# KiCad board PROC099A_PCB-PcbDoc.kicad_pcb (continued)
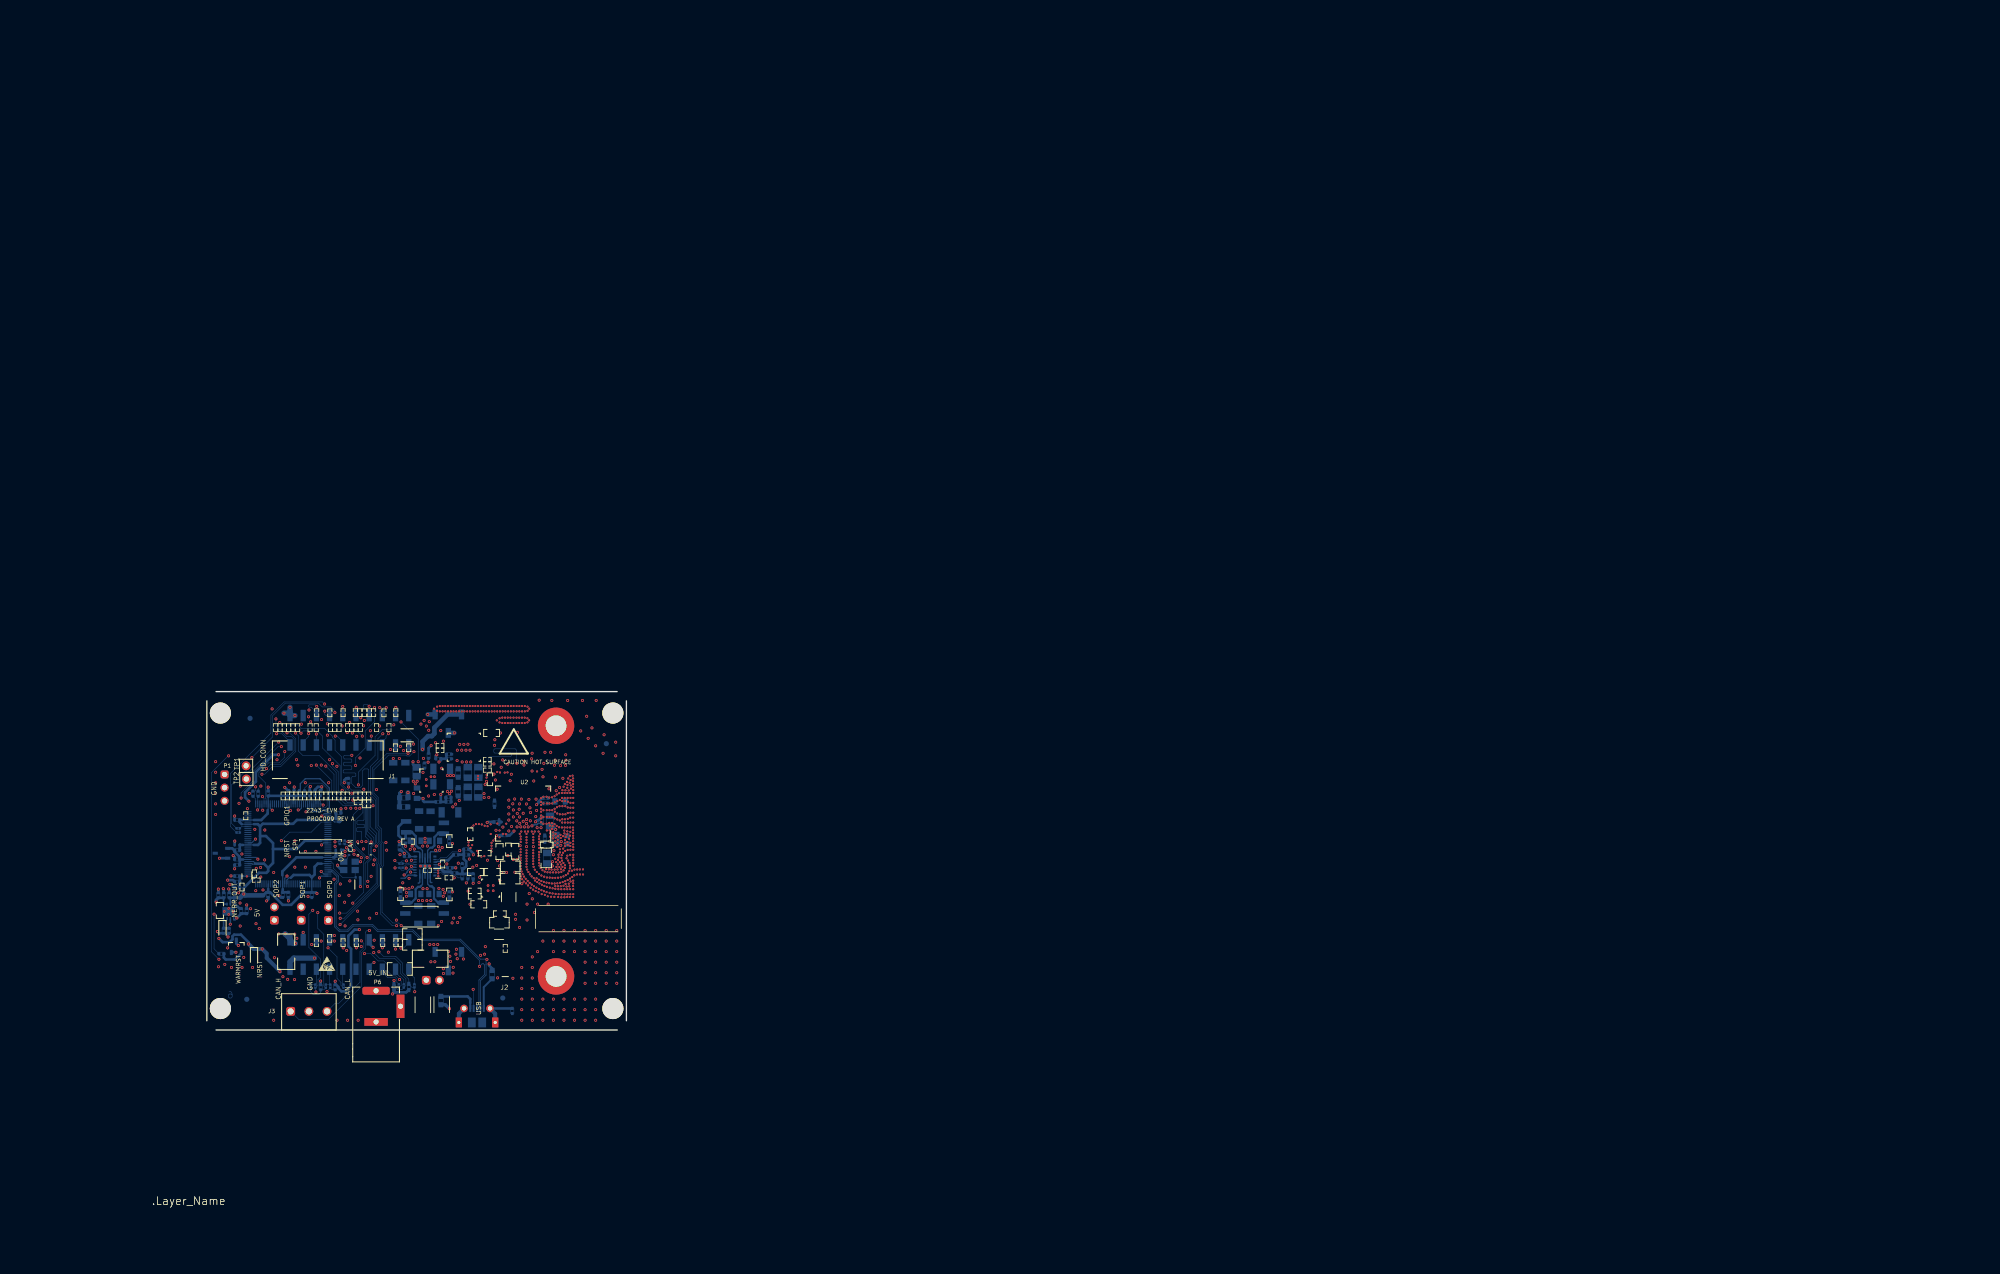
[diagram p0: board, top side]
## Routing (per net, layer and track width the routed paths; a pad name or vN(x,y) marks a point on that pad's centre or on a via; arc(x,y) is an arc through that point) (continued)
NetC1_2: length 4.6
  In7.Cu w0.381: C1.2 53.21,57.19 52.37,56.34 52.33,56.34
  In7.Cu w0.508: 53.74,55.92 53.74,54.84 53.7,54.81 ; 53.74,55.92 R37.2 ; 53.74,55.92 53.74,56.69 54.02,56.97 C1.2
NetC16_2: length 1.9
  In7.Cu w0.508: 30.35,30.64 30.35,32.5
NetC18_2: length 4.2
  In7.Cu w0.305: U4.3 54.31,30.24 C18.2
  In7.Cu w0.381: 53.63,31.69 54.59,31.69 54.59,31.69 54.59,31.09 54.13,30.63 C18.2
NetC22_1: length 2.4
  In7.Cu w0.305: 54.31,24.82 U4.6
  In7.Cu w0.381: 54.31,24.82 53.84,24.36 53.16,24.36 53.16,24.35
NetC24_2: length 2.2
  In7.Cu w0.102: 30.36,22.19 R87.2 R85.1
NetC28_1: length 10.3
  In3.Cu w0.254: v1(44.69,51.6) 44.69,51.04 44.6,50.94 44.6,46.14 v1(43.79,45.33)
  Bottom w0.508: v1(44.69,51.6) 45.07,51.97 R121.2 R122.1 C28.1
  In7.Cu w0.254: U5.10 44.23,45.78 v1(43.79,45.33)
NetC29_2: length 1.7
  In7.Cu w0.254: U5.7 42.73,45.85 42.17,45.28 C29.2
NetC44_2: length 0.8
  In7.Cu w0.102: U5.19 C44.2
NetC46_1: length 9.9
  In3.Cu w0.254: v1(45.21,50.39) 45.21,49.83 45.38,49.66 45.38,45.7 v1(45.04,45.36)
  Bottom w0.508: 46.01,44.69 C46.1 R132.2 v1(45.04,45.36) ; 46.01,44.69 46.01,44.81 ; 46.01,44.69 46.04,44.69
  In7.Cu w0.254: v1(45.21,50.39) 44.34,50.39 44.23,50.28 U5.16
NetC71_2: length 4.4
  Bottom w0.203: v1(21.69,29.29) 22.03,29.63 U6.96
  In7.Cu w0.508: 22.8,29.79 22.19,29.79 v1(21.69,29.29) 21.3,28.91 21.3,28.17
NetC78_1: length 10
  Bottom w0.305: 5.18,21.23 5.45,21.23 v1(5.78,21.56)
  Bottom w0.508: v1(4.21,27.15) 4.24,27.15 4.31,27.07 C78.1 4.31,26.44 ; 7.67,22.41 7.66,22.42 6.62,22.42 R156.1 v1(5.78,21.56)
  In7.Cu w0.508: v1(4.21,27.15) 4.21,25.02 5.68,23.55 5.68,21.67 v1(5.78,21.56)
NetC79_2: length 5
  Bottom w0.305: 3.23,25.42 U9.1 U9.2
  Bottom w0.381: 3.26,25.45 3.23,25.42
  Bottom w0.508: 3.25,25.44 2.22,25.44 1.8,25.02
  Bottom w0.635: v1(1.8,24.64) 1.8,25.02
  In7.Cu w0.762: v1(1.8,24.64) 1.8,24.54 2.51,23.83 R176.1
NetC84_2: length 2.1
  In7.Cu w0.305: 46.32,30.21 46.27,30.16 U11.5
  In7.Cu w0.508: 46.32,30.21 46.3,30.22 46.3,31.22
NetC85_1: length 2
  In7.Cu w0.254: 7.71,27.81 7.71,27.81 ; 7.71,27.81 7.71,27.75 ; 7.71,27.81 7.71,28.77 ; 7.71,27.81 7.71,27.81
  In7.Cu w0.508: R187.1 C85.1
NetC86_1: length 1.5
  Bottom w0.508: v1(38.27,35.38) R190.1
  In7.Cu w0.483: 38.22,36.27 38.27,36.22 v1(38.27,35.38)
NetC87_1: length 1.2
  Bottom w0.5: v1(47.29,35.88) 46.72,35.88 R191.1
  In7.Cu w0.5: 46.68,35.88 v1(47.29,35.88)
NetC88_1: length 1.6
  Bottom w0.559: 37.28,26.64 37.28,27.4 v1(37.23,27.44)
  In7.Cu w0.559: v1(37.23,27.44) 37.27,27.4 37.27,26.66
NetC89_1: length 1.2
  Bottom w0.5: 46.67,26.61 v1(47.3,26.61)
  In7.Cu w0.559: 46.68,26.61 v1(47.3,26.61)
NetD2_1: length 1.4
  In7.Cu w0.381: 2.87,32.22 D2.1
  In7.Cu w0.508: 1.92,32.22 2.87,32.22
NetDS1_1: length 4.9
  In7.Cu w0.508: 5.65,18.88 6.52,18.88 7.13,19.48 7.13,21.82 7.7,22.39
NetDS2_1: length 1.4
  In7.Cu w0.508: R100.1 8.56,17.78 8.56,18.89
NetDS3_1: length 2.1
  In7.Cu w0.508: 3.04,18.87 3.04,18.13 3.28,17.9 3.28,16.83
NetDS3_2: length 4.5
  In7.Cu w0.508: 3.04,20.47 3.38,20.47 4.31,19.53 4.31,18.65 5.67,17.29
NetDS4_1: length 1.4
  In7.Cu w0.508: 9.1,13.75 9.65,13.75 9.82,13.59 R117.1
NetDS4_2: length 4.7
  Bottom w0.508: v1(6.06,16.28) 5.67,16.67 Q2.3
  In7.Cu w0.508: 6.06,16.23 6.8,16.23 7.83,15.2 9.1,15.2
NetDS5_1: length 1.2
  In7.Cu w0.102: R189.1 3.46,10.4
NetJ1_4: length 4.3
  In7.Cu w0.102: R67.1 31.24,45.46 31.24,46.94 30.04,48.14 30.04,49.17
NetJ1_5: length 6.2
  Bottom w0.102: v1(29.93,56.59) 28.76,57.76 27.55,57.76 27.08,57.28 v1(27.02,57.28)
  In7.Cu w0.102: v1(27.02,57.28) 27.02,57.25 27.04,57.25 27.04,57.85 R29.2 ; v1(29.93,56.59) 29.56,56.21 29.56,54.92 J1.5
NetJ1_6: length 4.3
  In7.Cu w0.102: 29.54,49.17 29.54,48.13 29.97,47.7 29.97,46.86 29.71,46.6 29.71,46.08 30.34,45.45 R66.1
NetJ1_7: length 3.3
  In7.Cu w0.102: R17.2 29.59,57.87 29.59,57.34 29.35,57.11 29.35,56.27 29.04,55.95 J1.7
NetJ1_8: length 4.2
  In7.Cu w0.102: R65.1 29.43,45.48 29.43,46.72 29.69,46.98 29.69,47.49 29.04,48.14 29.04,49.17
NetJ1_9: length 44.2
  In3.Cu w0.102: v1(24.67,36.22) 25.95,37.5 28.01,37.5 32,41.48 v1(32,43.18)
  Bottom w0.102: 27.91,52.79 v1(27.91,52.88) 26.5,52.88 26.35,52.73 26.35,52.36 26.53,52.18 27.74,52.18 27.91,52.01 27.91,51.66 27.81,51.57 26.46,51.57 26.28,51.38 26.28,51.05 26.46,50.87 27.76,50.87 27.91,50.72 27.91,50.28 27.73,50.1 26.4,50.1 26.25,49.95 26.25,49.64 26.39,49.49 28.52,49.49 28.69,49.32 28.69,48.95 28.57,48.83 28.05,48.83 27.9,48.67 27.9,47.44 28.69,46.65 29.52,46.65 29.95,47.08 29.95,49.88 30.34,50.27 30.97,50.27 31.14,50.1 31.14,45.04 32,44.19 v1(32,43.18) ; v1(24.67,36.22) 25.32,36.22 R75.2
  In7.Cu w0.102: v1(27.91,52.88) 28.54,53.51 28.54,54.91
NetJ1_10: length 3.8
  In7.Cu w0.102: 28.54,49.17 28.54,45.54 R64.1
NetJ1_11: length 21.8
  In7.Cu w0.102: J1.11 28.04,56.5 28.54,57 28.54,57.37 28.32,57.6 28.32,58.9 28.12,59.11 28.12,59.81 28.25,59.95 29.03,59.95 29.12,60.03 29.12,60.3 29.07,60.35 28.15,60.35 27.99,60.51 27.99,61.57 27.9,61.67 27.58,61.67 27.51,61.6 27.51,60.63 27.4,60.52 27.26,60.52 27.18,60.61 27.18,61.54 27.08,61.63 26.94,61.63 26.82,61.51 26.82,60.23 26.91,60.14 27.6,60.14 27.71,60.03 27.71,59.84 27.62,59.75 26.33,59.75 26.24,59.67 26.24,59.38 26.33,59.3 26.86,59.3 26.95,59.21 26.95,59.02 26.89,58.96 26.67,58.96 26.6,58.89 26.6,57.94 26.51,57.85 26.51,56.89 26.44,56.81 25.82,56.81 25.45,57.19 R28.2
NetJ1_12: length 27.1
  Bottom w0.102: v1(32.28,62.08) 32.28,59.35 30.48,57.55 30.48,54.27 28.62,52.41 v1(28.62,50.93)
  In5.Cu w0.1: 31.69,60.34 31.69,61.84 30.89,61.84 30.89,60.34 31.69,60.34 ; 31.71,61.84 32.51,61.84 32.51,60.34 31.71,60.34 31.71,61.84
  In7.Cu w0.102: v1(32.28,62.08) 32.28,61.6 32.11,61.43 ; 28.04,49.17 28.04,50.19 28.16,50.31 28.16,50.47 v1(28.62,50.93)
  In7.Cu w0.18: 67.92,41.05 arc(67.44,41.14) 67.04,41.41 arc(66.76,41.6) 66.42,41.67 ; 69.83,41.37 arc(69.65,41.33) 69.49,41.23 arc(69.29,41.09) 69.05,41.05
NetJ1_13: length 5.1
  In7.Cu w0.254: 27.54,54.91 27.54,56.14 27.27,56.4 27.04,56.4
  In7.Cu w0.381: R27.2 24.62,57.53 25.75,56.4 27.04,56.4
NetJ1_14: length 4.2
  In7.Cu w0.102: J1.14 27.54,48.12 27.78,47.88 27.78,46.18 27.05,45.45 27.05,45.4
NetJ1_16: length 4.1
  In7.Cu w0.102: 27.04,49.17 27.04,49.16 27.04,47.5 26.71,47.17 26.71,46.05 26.23,45.56 R62.1
NetJ1_51: length 3.2
  In7.Cu w0.102: 18.04,54.91 18.03,54.92 18.03,56.36 17.58,56.81 17.58,57.8 R23.2
NetJ1_53: length 3.6
  In7.Cu w0.102: R22.2 16.58,56.84 17.06,56.36 17.44,56.36 17.54,56.26 17.54,54.91
NetJ1_55: length 3.5
  In7.Cu w0.102: R33.2 16.38,57.26 16.38,56.72 17.04,56.06 17.04,54.91
NetJ1_57: length 4.1
  In7.Cu w0.102: J1.57 16.54,55.97 15.97,56.54 15.22,56.54 14.91,56.84 R21.2
NetJ1_59: length 4.1
  In7.Cu w0.102: R20.2 14.46,57.53 14.46,56.9 15.08,56.28 15.63,56.28 16.04,55.87 J1.59
NetJ2_1: length 2.3
  In7.Cu w0.18: J2.1 57.44,15.38
NetJ3_1: length 35.4
  Bottom w0.102: J3.1 17.76,1.97 23.33,1.97 29.76,8.4 29.76,14.85 30.51,15.6 30.51,18.83 30.84,19.16 v1(31.29,19.16)
  In7.Cu w0.102: v1(31.29,19.16) 31.29,20.74 32.17,21.63 32.17,23.55 31.62,24.11 31.62,25.34
NetJ3_3: length 25.6
  Bottom w0.102: v1(29.74,17.16) 30.23,16.66 30.23,15.83 29.48,15.09 29.48,9.2 25.41,5.13 24.69,5.13 J3.3
  In7.Cu w0.102: v1(29.74,17.16) 29.74,18.61 29.87,18.74 29.87,23.62 30.35,24.1 30.35,25.34
NetJ5_5: length 3.9
  Bottom w0.102: R169.2 R168.2 21.09,8.96 J5.5
NetJ5_6: length 2.6
  Bottom w0.102: v1(20.19,16.46) 20.92,16.46 21.09,16.62 J5.6
  In7.Cu w0.102: R104.1 20.36,16.48 20.36,16.46 v1(20.19,16.46)
NetJ5_7: length 3.8
  Bottom w0.102: 23.73,8.76 R166.2 ; 23.73,8.76 23.63,8.86 J5.7 ; 23.73,8.76 R167.2
NetJ5_8: length 2
  Bottom w0.102: J5.8 24.32,17.35 v1(24.56,17.12)
  In7.Cu w0.102: v1(24.56,17.12) 23.85,17.12 R94.1
NetJ5_9: length 3
  Bottom w0.102: R165.2 26.17,8.9 J5.9
NetJ5_10: length 2.3
  Bottom w0.102: v1(26.25,15.8) 26.17,15.88 J5.10
  In7.Cu w0.102: v1(26.25,15.8) 26.23,15.83 R105.1
NetJ5_12: length 6.9
  Bottom w0.102: J5.12 28.71,16.5 28.8,16.41 28.8,15.84 v1(28.77,15.81)
  In5.Cu w0.1: 28.38,17.56 29.18,17.56 29.18,16.06 28.38,16.06 28.38,17.56
  In7.Cu w0.102: R106.1 28.78,15.82 v1(28.77,15.81)
NetJ5_13: length 35.7
  In3.Cu w0.127: v1(32.18,13) 30.16,13 29.94,13.23 29.94,13.88 29.78,14.03 29.22,14.03 29.11,13.92 29.11,13.26 28.85,13 28.12,13 27.93,13.2 27.93,19.05 29.74,20.86 29.74,21.31 29.26,21.79 28.45,21.79 25.76,24.48 25.76,25.12 26.25,25.6 26.25,32.02 25.72,32.55 25.72,35.18 26.8,36.26 v1(27.17,36.26)
  Bottom w0.102: v1(27.17,36.26) 26.74,36.26 R76.2 ; v1(32.18,13) 31.92,12.75 31.69,12.75 31.25,12.31 J5.13
NetJ5_14: length 2.6
  Bottom w0.508: J5.14 31.25,16.67 v1(32.01,15.91)
  In7.Cu w0.508: 31.31,16.33 R107.1 31.71,15.91 v1(32.01,15.91)
NetJ5_15: length 5
  Bottom w0.102: J5.15 33.79,11.1 34.81,10.08 36.25,10.08 36.57,9.76 36.57,9.22 R164.2
NetJ5_16: length 6.8
  Bottom w0.102: v1(33.79,15.82) J5.16
  In5.Cu w0.1: 34.26,16.08 34.26,17.58 33.46,17.58 33.46,16.08 34.26,16.08
  In7.Cu w0.102: R102.1 33.86,15.89 v1(33.79,15.82)
NetJ5_17: length 3.6
  Bottom w0.102: R163.2 37.92,9.65 37.3,10.27 37.15,10.27 36.33,11.09 J5.17
NetJ5_18: length 2.7
  Bottom w0.102: v1(36.33,15.58) J5.18
  In7.Cu w0.102: R108.1 36.33,16.4 v1(36.33,15.58)
NetJ5_19: length 3.3
  Bottom w0.102: R162.2 39.95,10.04 38.87,11.13 J5.19
NetJ5_20: length 35.6
  Bottom w0.102: J5.20 38.87,16.76 37.87,15.76 v1(37.36,15.76)
  In5.Cu w0.1: 36.83,16.05 37.63,16.05 37.63,17.55 36.83,17.55 36.83,16.05 ; 36,17.55 36.8,17.55 36.8,16.05 36,16.05 36,17.55
  In7.Cu w0.102: R109.1 37.36,16.34 v1(37.36,15.76)
  In5.Cu w0.127: 37.69,17.47 41.45,17.47 41.45,19.5 37.69,19.5 37.69,17.47 ; 37.69,17.41 41.45,17.41 41.45,15.38 37.69,15.38 37.69,17.41
NetJ6_1: length 4.7
  Bottom w0.102: J6.1 16.01,55.46 14.42,57.05 v1(13.43,57.05)
  In7.Cu w0.102: v1(13.43,57.05) 13.26,57.22 R19.2
NetJ6_3: length 3.6
  Bottom w0.102: J6.3 18.55,55.46 19.6,56.52 v1(19.6,57.07)
  In7.Cu w0.102: v1(19.6,57.07) 19.88,57.35 R24.2
NetJ6_5: length 3
  Bottom w0.102: J6.5 v1(21.09,56.98)
  In7.Cu w0.102: v1(21.09,56.98) 21.09,57.86 R25.2
NetJ6_8: length 2.6
  Bottom w0.102: J6.8 22.95,60.53 22.7,60.78 v1(22.7,61.39)
  In7.Cu w0.102: v1(22.7,61.39) 23.68,61.39 R9.1
NetJ6_9: length 4.3
  Bottom w0.102: v1(24.73,56.59) 25.09,56.59 26.17,55.51 J6.9
  In7.Cu w0.102: R26.2 23.79,57.89 23.79,57.4 24.67,56.52 v1(24.73,56.59)
NetJ6_10: length 2.7
  Bottom w0.102: J6.10 v1(26.17,62.29)
  In7.Cu w0.102: R2.1 26.17,61.49 v1(26.17,62.29)
NetJ6_11: length 3.1
  Bottom w0.102: v1(28.85,56.54) 28.85,55.02 J6.11
  In7.Cu w0.102: R18.2 28.85,57.78 v1(28.85,56.54)
NetJ6_12: length 3.2
  Bottom w0.102: J6.12 28.71,62.09 v1(28.76,62.14)
  In7.Cu w0.102: v1(28.76,62.14) 28.76,61.6 R4.1 R5.1
NetJ6_13: length 3.6
  Bottom w0.102: J6.13 31.25,55.54 31.67,55.96 v1(31.67,56.59)
  In7.Cu w0.102: R31.2 32.38,57.59 32.38,57.31 v1(31.67,56.59)
NetJ6_14: length 8.4
  Bottom w0.102: v1(31.25,62.33) 30.95,62.63 30.25,62.63 30.11,62.49 30.11,61.84 30.22,61.72 30.66,61.72 31.25,61.13 J6.14
  In7.Cu w0.102: R3.1 R6.1 31.25,61.46 v1(31.25,62.33)
  In7.Cu w0.18: 69.05,43.59 arc(69.29,43.54) 69.49,43.4 arc(69.65,43.3) 69.83,43.26 ; 66.42,42.97 arc(66.76,43.03) 67.04,43.22 arc(67.44,43.49) 67.92,43.59
NetJ6_15: length 3.5
  Bottom w0.102: J6.15 33.79,55.51 34.5,56.22 34.5,56.6 v1(34.96,57.06)
  In7.Cu w0.102: R32.2 34.96,57.79 v1(34.96,57.06)
NetJ6_16: length 7.6
  Bottom w0.102: J6.16 33.79,61.82 34.03,62.06 v1(34.53,62.06)
  In5.Cu w0.1: 33.69,60.32 34.49,60.32 34.49,61.82 33.69,61.82 33.69,60.32
  In7.Cu w0.102: R10.1 34.23,61.54 34.23,61.77 v1(34.53,62.06)
NetJ6_17: length 2
  Bottom w0.102: v1(37.26,54.61) 36.98,54.88 J6.17
  In7.Cu w0.102: v1(37.26,54.61) 36.37,54.61 R35.2
NetJ6_18: length 6.9
  Bottom w0.102: v1(36.38,62.11) 36.33,62.06 J6.18
  In5.Cu w0.1: 35.98,60.34 35.98,61.84 36.78,61.84 36.78,60.34 35.98,60.34
  In7.Cu w0.102: R8.1 v1(36.38,62.11)
NetJ6_19: length 2.1
  Bottom w0.102: J6.19 39.03,55.04 v1(39.8,55.04)
  In7.Cu w0.102: v1(39.8,55.04) 39.24,55.04 R36.2
NetJ8_1: length 6.4
  Bottom w0.254: 53.31,4.15 J8.1
  Bottom w0.381: 53.31,4.15 53.31,8.24 R161.1
NetJ8_5: length 7.7
  Bottom w0.381: 50.71,4.15 J8.5 50.71,5.24
  Bottom w0.508: 50.71,5.24 50.71,5.95 50.2,6.46 45.05,6.46
NetJ8_6: length 25.9
  Bottom w0.508: J8.11 58.8,4.15
  Bottom w0.762: J8.9 48.51,3.15 J8.10 ; J8.6 55.51,3.15 J8.11
  In7.Cu w0.254: U10.5 52.8,12.66 53.24,12.23 53.24,11.87
  In7.Cu w0.508: 53.24,11.87 53.24,11.13 49.51,7.41 J8.10
  In7.Cu w0.762: J8.10 J8.11
NetP2_1: length 3.6
  In7.Cu w0.102: P2.1 19.09,20.22 19.09,17.93
NetP3_1: length 3.8
  In7.Cu w0.102: 13.01,17.54 12.69,17.86 12.69,20.83 P3.1
NetP4_1: length 3.2
  In7.Cu w0.102: 26.51,20.95 23.56,20.95 P4.1
NetQ1_1: length 1.6
  In7.Cu w0.508: 4.72,14.99 4.44,14.7 3.29,14.7
NetQ2_1: length 5
  Bottom w0.508: 3.29,14.69 3.29,13.93 3.64,13.57 5.44,13.57 6.62,14.76 6.62,14.97
NetR11_2: length 8.6
  In7.Cu w0.102: R11.2 33.87,36.6 34.84,36.6 35.22,36.22 35.22,33.32 32.9,30.99 U3.1
NetR12_2: length 1.7
  In7.Cu w0.102: R12.2 29.09,31.34 U3.4
NetR39_2: length 1.6
  In7.Cu w0.102: U1.2 45.56,55.07 R39.2
NetR40_1: length 3.7
  In7.Cu w0.102: R40.1 53.66,54.01 52.59,55.07 U1.7
NetR42_2: length 1.5
  In7.Cu w0.102: R42.2 45.25,53.8 U1.3
NetR44_1: length 3.4
  In7.Cu w0.102: U1.6 52.64,53.8 53.23,53.2 53.23,51.64 R44.1
NetR45_1: length 3.1
  In7.Cu w0.102: 52.33,52.53 52.33,51.39 R45.1
NetR68_1: length 1.8
  In7.Cu w0.381: 8.86,43.1 9.11,42.85 SW1.4
NetR72_1: length 2.6
  In7.Cu w0.381: 7.49,39.94 7.5,39.95 R72.1
  In7.Cu w0.508: 7.49,39.94 7.54,39.88 7.84,39.88 7.88,39.84 SW1.2
NetR79_2: length 2.1
  In7.Cu w0.381: 9.38,32.04 9.21,32.2 9.21,33.92 SW2.2
NetR86_1: length 5.3
  In7.Cu w0.102: U3.8 R86.1 R178.2 34.27,22.75 R177.1
NetR88_2: length 3.1
  In7.Cu w0.102: 27.55,22.92 27.53,22.9 R93.1 26.51,21.91 R92.1 26.51,22.92 26.52,22.93
NetR95_1: length 3
  In7.Cu w0.102: 18.08,15.98 18.07,15.98 18.07,16.96 19.08,16.96 19.09,16.97 19.09,15.99 19.1,15.98
NetR98_2: length 3.5
  In7.Cu w0.102: R98.2 10.93,17.54 11.89,16.57 11.93,16.57 11.94,16.58 13.01,16.58 13.01,15.61 13.01,15.61
NetR123_1: length 1.8
  Bottom w0.102: 21.84,45.1 21.41,44.67 U6.63
NetR124_1: length 12.8
  Bottom w0.102: 18.81,46.06 18.81,46.58 19.76,47.52 22.14,47.52 23.16,46.5 23.16,43.15 22.78,42.77 22.29,42.77 22.02,42.49 20.72,42.49 20.62,42.6 20.62,43.52 U6.61
NetR125_1: length 12.8
  In3.Cu w0.102: v1(32.61,35.41) 32.61,36.24 31.76,37.08 26.99,37.08 25.28,35.37 v1(24.69,35.37)
  In7.Cu w0.102: U13.15 31.59,35.04 31.91,35.04 32.05,35.18 32.34,35.18 32.58,35.41 ; v1(32.61,35.41) 33.27,35.41 R125.1 ; v1(24.69,35.37) S1.2
NetR126_1: length 1.6
  Bottom w0.152: U6.62 21.01,44.93 20.84,45.1
NetR127_1: length 16.9
  Bottom w0.203: 20.21,42.45 U6.60
  Bottom w0.254: 20.21,42.45 20.59,42.06 22.14,42.06 22.47,42.39 23.29,42.39 23.59,42.69 23.59,46.58 21.78,48.38 18.97,48.38 18,47.42 18,46.26 17.8,46.06
NetR128_2: length 1.7
  Bottom w0.102: U6.33 9.41,44.48 8.87,45.02
NetR129_2: length 1.5
  Bottom w0.102: 9.9,45.01 9.81,44.92 U6.34
NetR143_1: length 4.2
  Bottom w0.254: 45.28,32.69 45.05,32.46 44.34,32.46 44.2,32.32 U8.16
  Bottom w0.508: 47.5,33.76 46.43,32.69 45.28,32.69
NetR144_2: length 2.8
  Bottom w0.102: U8.5 39.9,31.82 39.77,31.95 39.02,31.95 38.86,31.79 38.27,31.79 R144.2
NetR146_1: length 2.5
  Bottom w0.102: U8.6 39.9,32.32 39.74,32.16 38.88,32.16 38.76,32.05 R146.1
NetR147_1: length 3.5
  Bottom w0.254: U8.19 45.3,30.82
  Bottom w0.508: 46.97,30.44 47.19,30.23
  Bottom w0.635: 45.3,30.82 45.68,30.44 46.97,30.44
NetR152_1: length 2.6
  Bottom w0.203: v1(22.02,30.53) 22.52,30.03 U6.95
  In7.Cu w0.508: v1(22.02,30.53) 22.81,31.32 22.81,31.34
NetR179_1: length 1.1
  In7.Cu w0.102: 42.77,29.78 42.9,29.66 U11.3
NetR180_2: length 1
  In7.Cu w0.102: R180.2 42.91,30.66 U11.1
NetR181_1: length 1.1
  In7.Cu w0.102: U11.4 45.93,29.66 R181.1
NetR182_1: length 1
  In7.Cu w0.102: U11.6 45.4,30.76 R182.1
NetR184_1: length 1.1
  In7.Cu w0.102: 6.18,30.35 6.22,30.31 U12.3
NetR185_2: length 1
  In7.Cu w0.102: R185.2 9.07,30.31 U12.1
NetR186_1: length 1
  In7.Cu w0.102: R186.1 9.16,28.83 U12.6
NetR188_2: length 1.2
  In7.Cu w0.102: R188.2 7.21,28.3 U12.4
NetR194_2: length 1.6
  Bottom w0.102: U6.59 19.81,45.09 19.82,45.1
NetR195_1: length 1.6
  In7.Cu w0.102: R195.1 32.09,33.84 31.74,34.19 U13.13
NetR197_2: length 10
  In7.Cu w0.102: R197.2 67.51,53.89 65.68,52.06 65.68,48.29 63.82,46.42 63.82,45.89 U2.P4
NetR198_2: length 8.3
  In7.Cu w0.102: R198.2 67.19,52.95 65.88,51.64 65.88,48.18 64.14,46.44 U2.R3
PGOOD: length 116.6
  In2.Cu w0.508: v1(2.03,18.97) 4.97,18.97 5.41,18.54 10.28,18.54 11.19,19.45 19.8,19.45 20.36,18.89 25.02,18.89 25.92,18 31.51,18 v1(32.22,17.29) ; v1(23.21,58.95) 24.95,58.95 26.05,60.05 28.45,60.05 29.62,61.23 37.69,61.23 38.35,61.89 42.62,61.89 45.04,59.47 v1(45.04,57.64)
  In3.Cu w0.508: v1(45.04,57.64) 43.83,57.64 40.75,54.57 40.75,53.33 40.03,52.6 39.35,52.6 38.79,52.05 38.79,47.48 39.56,46.71 40.21,46.71 40.74,46.18 40.74,42.79 35.92,37.97 35.92,33.94 36.81,33.04 37.69,33.04 38.01,33.36 v1(38.01,34.01)
  Bottom w0.508: v1(2.03,18.97) 2.37,18.63 3.23,18.63 ; R138.2 37.36,34.67 v1(38.01,34.01) R141.2
  In7.Cu w0.381: R27.1 24.62,58.91 24.25,59.28
  In7.Cu w0.508: v1(23.21,58.95) 23.54,59.28 24.25,59.28 ; v1(38.01,34.01) 38.01,33.55 37.27,32.81 37.27,30.65 35.54,28.92 35.54,20.61 v1(32.22,17.29) 31.31,17.29
PMIC_1V0: length 3.3
  Bottom w0.254: 40.11,29.73 40.43,29.73 ; 37.38,29.22 38.14,29.22 38.74,29.81 40.04,29.81 U8.1
  vias: v1(39.74,47.9) v1(40.13,47.39) v1(40.49,47.9)
PMIC_1V8: length 4.8
  In7.Cu w0.508: R84.2 49.37,25.75 47.6,23.98 47.6,23.29
  vias: v1(47.21,20.62) v1(47.52,21.54) v1(48.28,20.7) v1(48.71,21.64)
PMIC_CLK: length 42.3
  In2.Cu w0.229: v1(36.5,21.16) 32.29,21.16 29.76,18.63 26.21,18.63 25.1,19.74 20.17,19.74 19.98,19.93 10.5,19.93 v1(10.1,19.53)
  Bottom w0.229: v1(37.98,29.85) 38.04,29.85 38.58,30.39 38.58,30.56 39.01,30.99 39.59,30.99 39.76,30.82 U8.3
  In7.Cu w0.18: v1(37.98,29.85) 36.5,28.38 v1(36.5,21.16)
  In7.Cu w0.279: 9.85,17.54 10.1,17.79 v1(10.1,19.53)
PMIC_EN1: length 34.3
  Bottom w0.102: v1(50.54,32.92) 50.54,33.65 50.42,33.77 ; v1(39.38,32.68) 39.52,32.82 U8.7
  In7.Cu w0.102: v1(50.54,32.92) 50.54,33.67 49.04,35.17 48.53,35.17 46.76,33.4 41.24,33.4 40.52,32.68 v1(39.38,32.68) 38.98,33.08 38.22,33.08 37.78,32.63 37.78,30.36 35.99,28.57 35.99,19.3 R102.2
PMIC_EN2: length 13.2
  Bottom w0.102: v1(48.68,34.56) 48.68,34.57 48.4,34.3 47.23,34.3 46.1,33.17 45,33.17 44.65,32.82 U8.15 ; v1(49.96,28.32) 50.23,28.6 50.23,29.11
  In7.Cu w0.102: v1(48.68,34.56) 48.74,34.56 49.96,33.34 v1(49.96,28.32)
PMIC_EN3: length 12.6
  Bottom w0.102: v1(39.22,30.4) 39.31,30.32 U8.2 ; 49.18,32.04 49.1,32.12 v1(48.41,32.12)
  In7.Cu w0.102: v1(39.22,30.4) 40.01,31.19 40.01,31.6 41.38,32.96 47.56,32.96 v1(48.41,32.12)
PMIC_NRST: length 5.8
  Bottom w0.102: 49.19,29.1 48.99,29.3 48.35,29.3 47.9,29.76 46.62,29.76 46.44,29.93 45.47,29.93 45.08,30.32 U8.20
PMICOUT_3V3: length 9.9
  Bottom w0.254: 37.57,36.78 37.68,36.67 37.68,35.14 39.01,33.81 R141.1 39.05,33.4 U8.8 ; 40.11,33.39 40.41,33.39
  Bottom w0.508: L2.2 37.91,40.15 36.9,39.14 36.9,37.45 37.57,36.78
PMICVIO_3V3: length 9.6
  Bottom w0.508: 48.15,30.23 48.31,30.06 49.19,30.06 ; 51.28,30.06 51.27,30.07 50.23,30.07 50.23,30.06 49.19,30.06 ; 49.46,33.77 49.46,34.8 ; 49.46,33.77 49.46,32.92 49.93,32.45 49.93,31.52 49.52,31.12 49.4,31.12 49.36,31.08 49.18,31.08 49.19,31.08 49.19,30.06 ; 49.46,33.77 48.53,33.76
RX1: length 15.2
  In7.Cu w0.18: 70.1,45.16 68.17,45.16 arc(67.88,45.11) 67.63,44.94 arc(66.89,44.44) 66.02,44.27 U2.M2 ; 69.73,34.22 arc(69.35,34.15) 69.03,33.93 arc(68.81,33.6) 68.73,33.21 arc(68.81,32.77) 69.06,32.41 arc(69.35,31.98) 69.45,31.46 arc(69.33,30.87) 68.99,30.36 arc(68.45,30) 67.8,29.87 ; 63.49,32.12 arc(64.15,30.53) 65.74,29.87
RX2: length 3
  In7.Cu w0.18: U2.K2 66.42,42.97 ; 69.83,43.26 70.1,43.26 ; 67.92,43.59 69.05,43.59
RX3: length 3
  In7.Cu w0.18: 67.92,41.05 69.05,41.05 ; U2.H2 66.42,41.67 ; 69.83,41.37 70.1,41.37
RX4: length 5.6
  In7.Cu w0.18: 68.18,39.46 70.11,39.46 ; 68.18,39.46 68.18,39.46 ; 68.18,39.46 arc(68.18,39.46) 68.18,39.46 ; U2.F2 66.02,40.37 arc(66.89,40.19) 67.63,39.69 arc(67.88,39.52) 68.18,39.46
SPICLK1: length 4.9
  Bottom w0.102: R75.1 R76.1 26.69,35.66 27.13,35.66 27.84,34.96 27.84,34.32 v1(28.33,33.83)
  In7.Cu w0.102: U13.8 28.69,34.19 v1(28.33,33.83)
SS_CTRL: length 12.8
  In3.Cu w0.102: v1(42.69,45.06) 41.28,46.47 41.28,48.12 41.26,48.12 41.26,48.61 40.85,49.02 40.85,49.82 v1(42.59,51.56)
  Bottom w0.102: R119.2 42.71,52.27 42.59,52.15 v1(42.59,51.56) 42.04,51.56 R120.1
  In7.Cu w0.102: v1(42.59,51.56) 42.63,51.56 42.99,51.2 43.07,51.2 43.23,51.04 U5.18 ; U5.8 43.23,45.6 v1(42.69,45.06)
SW0: length 8.2
  Bottom w0.254: U8.10 41.51,34.56 41.03,35.04
  Bottom w0.432: 41.03,35.04 40.75,35.04 40.22,35.57 40.22,37.31 39.44,38.1
  Bottom w0.508: R190.2 38.27,37.95 L2.1
  Bottom w0.635: 38.37,38.1 39.44,38.1
SW1: length 8.7
  Bottom w0.254: 43.02,35.1 42.51,34.59 U8.12
  Bottom w0.432: 44.59,37.91 43.81,37.13 43.81,35.51 43.4,35.1 43.02,35.1
  Bottom w0.508: 45.64,37.91 46.12,37.91 46.67,37.36 46.67,36.86
  Bottom w0.635: 44.59,37.91 45.64,37.91
SW2: length 9.6
  Bottom w0.254: U8.25 41.51,28.02 41.26,27.77
  Bottom w0.432: 41.26,27.77 41.05,27.56 40.66,27.56 40.2,27.1 40.2,25.34 39.34,24.48
  Bottom w0.508: 38.21,24.48 37.79,24.48 37.28,24.99 37.28,25.68
  Bottom w0.635: 38.21,24.48 39.34,24.48
SW3: length 9.6
  Bottom w0.254: 42.96,27.66 42.51,28.11 U8.23
  Bottom w0.432: 44.59,24.51 44.54,24.51 43.72,25.33 43.72,27.26 43.32,27.66 42.96,27.66
  Bottom w0.508: 45.63,24.48 46.17,24.48 46.69,25 46.69,25.63
  Bottom w0.635: 44.59,24.51 44.62,24.48 45.63,24.48
TX1: length 8.1
  In7.Cu w0.18: 65.74,29.87 67.8,29.87 ; 63.49,32.12 U2.B4 ; 69.73,34.22 70.11,34.22
TX2: length 17.7
  In7.Cu w0.18: 72.01,30.42 70.99,30.42 arc(70.71,30.37) 70.48,30.21 arc(68.78,29.08) 66.78,28.68 arc(64.66,29.1) 62.86,30.31 62.86,30.31 arc(62.37,31.05) 62.19,31.92 U2.B6
TX3: length 17.7
  In7.Cu w0.18: 70.11,26.62 68.2,26.62 arc(64.82,27.3) 61.95,29.21 arc(61.16,30.39) 60.89,31.79 60.89,37.76 U2.B8
XDSET_1_D_N: length 55.6
  Bottom w0.152: 23.32,30.83 23.92,30.83 23.97,30.78 24.22,30.78 25.33,29.67 25.33,28.57 24.88,28.11 24.88,20 25.61,19.26 25.61,19.25 27.03,19.25 28.09,20.31 31.92,20.31 32.94,19.28 39.67,19.28 41.47,17.49 48.82,17.49 52.66,13.64 53.91,13.64 53.93,13.61 53.76,13.44 53.76,12.66 53.76,10.57 52.68,9.49 52.68,4.94 52.68,4.94 52.68,4.15
  In7.Cu w0.152: U10.1 53.46,13.59 v1(53.92,13.59)
XDSET_1_D_P: length 55.6
  Bottom w0.152: J8.3 52.01,4.69 52.38,5.06 52.38,9.61 53.46,10.69 53.46,12.53 53.23,12.76 53.02,12.76 v1(52.5,12.24) 52.5,13.39 48.7,17.19 41.35,17.19 39.55,18.99 32.82,18.99 31.8,20.01 28.21,20.01 27.16,18.96 25.49,18.96 25.32,19.13 25.32,19.14 24.58,19.87 24.58,28.23 25.04,28.69 25.04,29.55 24.1,30.49 23.97,30.49 23.91,30.43 U6.94
  In7.Cu w0.152: U10.4 52.3,12.44 v1(52.5,12.24)
XDSET_1_ID: length 53.7
  In2.Cu w0.254: v1(27.53,28.7) 31.27,24.96 34.25,24.96 35.43,23.78 49.1,23.78 51.63,21.26 51.63,17.1 53.46,15.27 v1(53.46,14.6)
  Bottom w0.102: J8.4 51.36,7.74 v1(51.28,7.82)
  In7.Cu w0.102: v1(51.28,7.82) 54.86,11.41 54.86,13.72 53.99,14.6 v1(53.46,14.6) 53.46,14.22 52.8,13.56 U10.2
  In7.Cu w0.254: 23.77,31.34 26.41,28.7 v1(27.53,28.7)
XDSET_1_VBUS: length 77.1
  In2.Cu w0.381: v1(54.34,12.73) 52.93,12.73 51.79,13.86 51.79,16.01 50.64,17.16 50.64,20.73 48.79,22.59 35.19,22.59 33.9,23.89 31.06,23.89 26.84,28.11 v1(25.7,28.11)
  Bottom w0.508: v1(54.34,12.73) 54.34,12.42 54.93,11.83 R161.2 ; v1(4.01,28.85) 5.06,28.85 5.37,28.54
  In7.Cu w0.381: U10.6 53.43,12.73 v1(54.34,12.73)
  In7.Cu w0.508: v1(4.01,28.85) 4.53,28.85 5.3,28.09 5.3,26.17 6.21,25.26 10.26,25.26 11.72,26.72 17.1,26.72 19.47,24.35 19.47,22.49 20.18,21.78 21.6,21.78 22.11,22.29 22.11,26.38 R154.2 21.53,27.19 22.45,28.11 v1(25.7,28.11)
XDSET_LOGGER: length 2.5
  Bottom w0.102: U6.25 7.87,39.19 6.73,39.19 R135.2 R136.2
XDSET_NRST: length 24.2
  Bottom w0.102: v1(19.48,25.72) 19.5,25.72 19.7,25.52 20.21,25.52 ; v1(14.34,36.45) 16,38.1 20.11,38.1 22.04,40.03 23.31,40.03 U6.70
  In7.Cu w0.102: v1(14.34,36.45) 14.34,31.53 19.5,26.38 19.5,25.72 v1(19.48,25.72)
XDSET_OSC0: length 4.9
  Bottom w0.102: U6.88 23.35,32.79 25.96,32.79 Y2.1 26.43,32.4 27.12,33.08 27.12,33.34 27.37,33.6
XDSET_OSC1: length 8.4
  Bottom w0.102: Y2.3 28.56,29.38 26.12,29.38 24.33,31.18 24.33,32 23.9,32.43 U6.89
XDSET_TCK: length 23.6
  In2.Cu w0.127: v1(9.77,42.37) 11.54,44.14 26.28,44.14 v1(27.72,42.7)
  Bottom w0.102: v1(9.77,42.37) 10.21,42.8 U6.35
  In7.Cu w0.102: v1(27.72,42.7) 28.44,43.42 30.12,43.42 R70.2